# Altium PCB 2022_May.PcbDoc
Units mil, origin at the board's own origin, x right, y up, seen from the top; angles counter-clockwise.
Board outline 2000 x 3300 mil, 2 copper layers (Top Layer, Bottom Layer); 67 components, 0 nets, 220 pads, 51 vias.
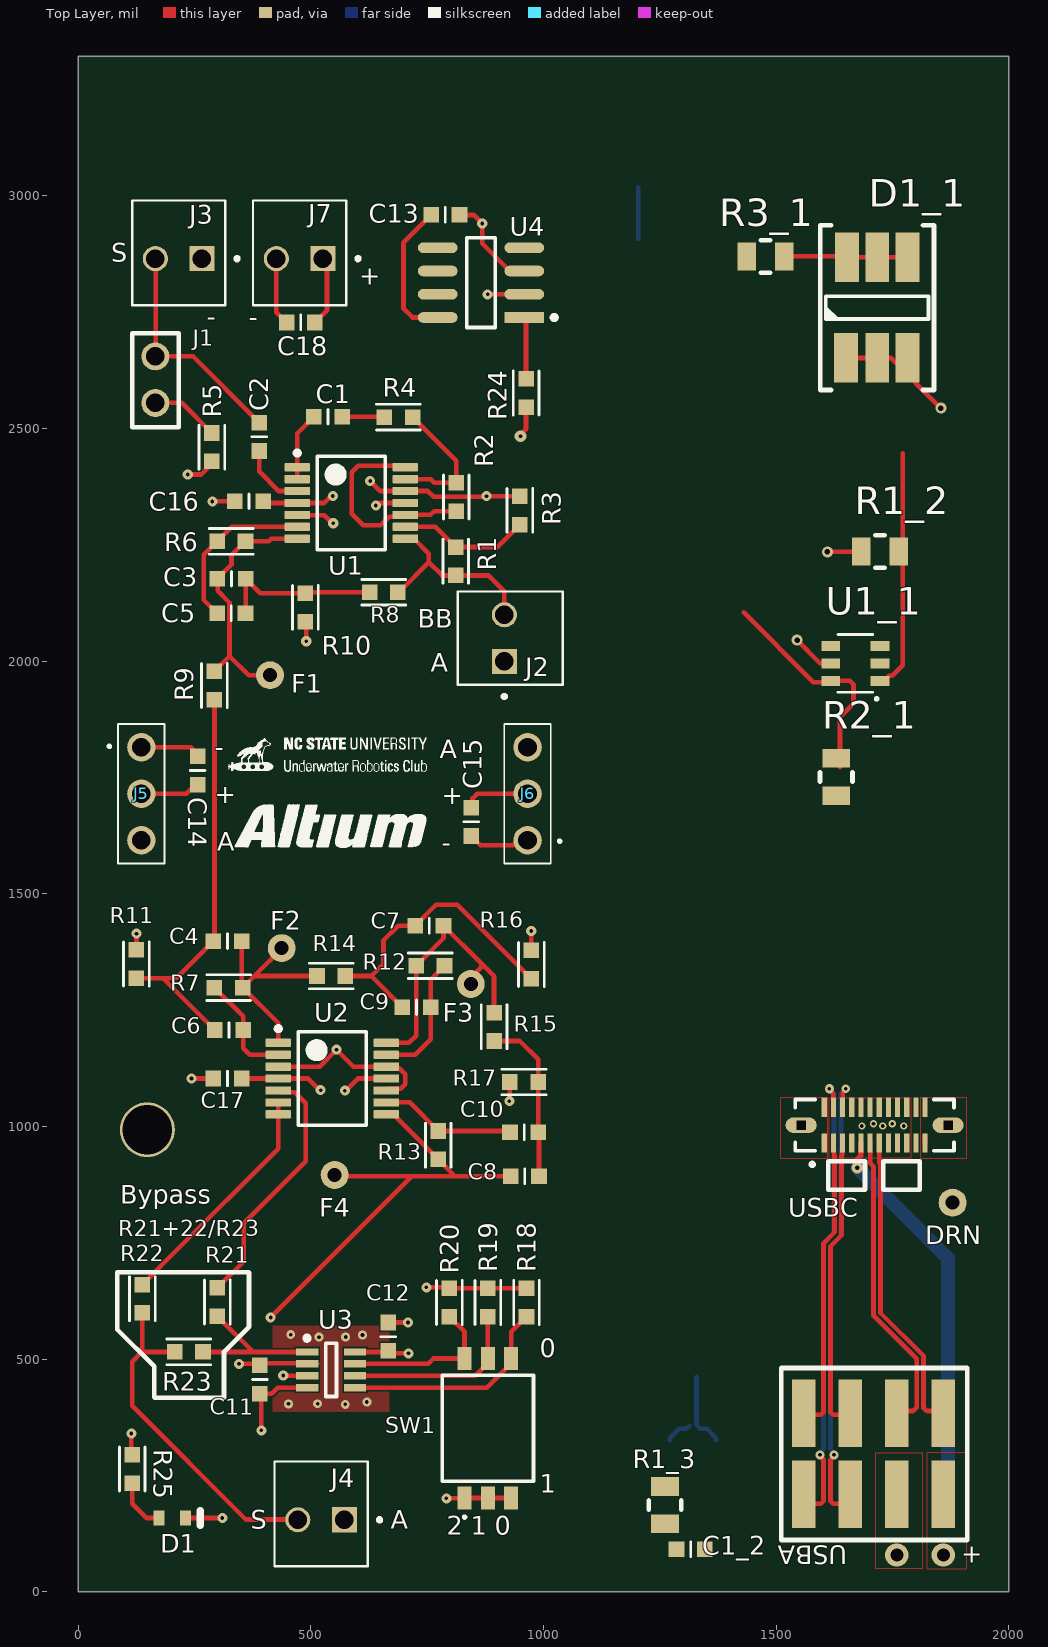
[diagram p0: Top Layer view]
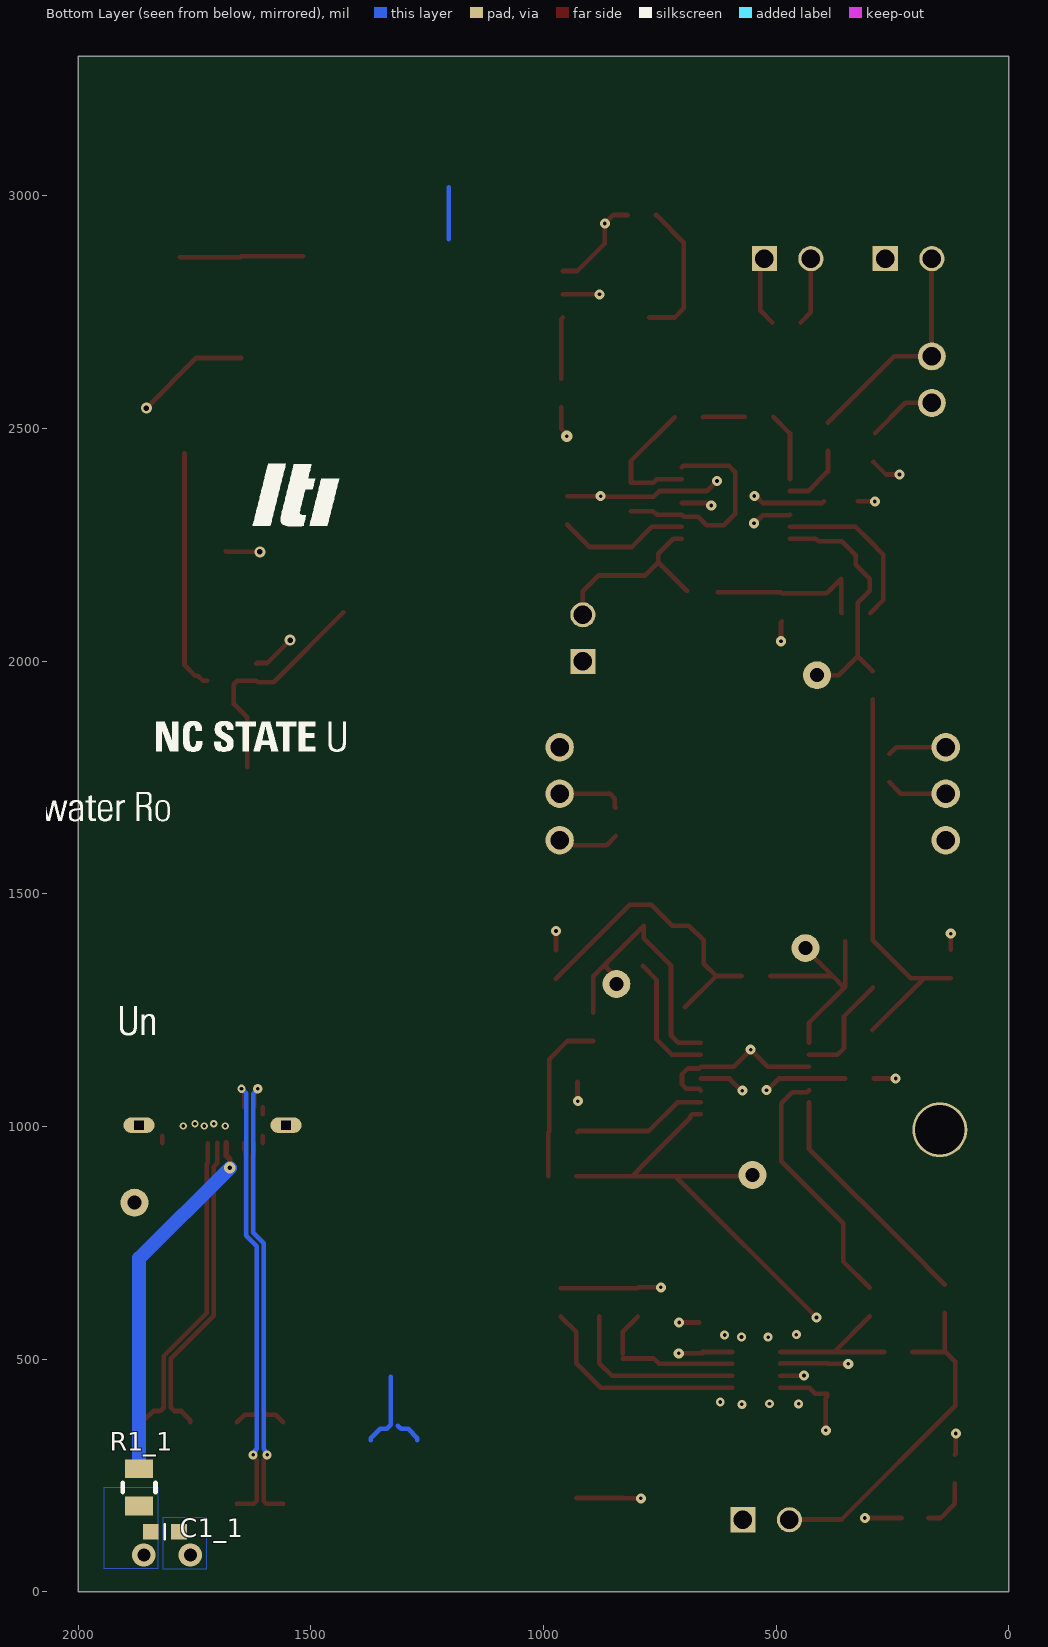
[diagram p1: Bottom Layer view, seen from below]

## Layer stack, top to bottom
Top Solder: solder mask 0.4, Solder Resist, Dk 3.5
Top Layer: signal copper 1.4
Dielectric 1: dielectric 12.6, FR-4, Dk 4.8
Bottom Layer: signal copper 1.4
Bottom Solder: solder mask 0.4, Solder Resist, Dk 3.5

## Board outline
0,0 0,3300 2000,3300 2000,0

## Design rules (kind name [scope] priority, off if disabled: settings)
Clearance [All] p1: gap=10 ignorepadtopadclearanceinfootprint=FALSE except(0: Arc-Hole Track-Hole SMDPad-Hole THPad-Hole Via-Hole Fill-Hole Poly-Hole Region-Hole Text-Hole)
PolygonConnect [All] p1: connectstyle=Relief reliefconductorwidth=10 reliefentries=4 polygonreliefangle="90 Angle" airgapwidth=10
RoutingVias [All] p1: holewidth=28 width=50 viastyle="Through Hole" minholewidth=28 minwidth=50 maxholewidth=28 maxwidth=50
SolderMaskExpansion [All] p1: expansion=4 istentingtop=FALSE
Width [All] p1: maxlimit=10 minlimit=10 preferedwidth=10
30 further rules are at their usual default settings.

## Components (designator, comment, footprint, x,y, rotation, side; value= is the part's Value field where it differs from the comment)
C1 "5100pF" SMD-0603C 536.89,2525.29 r270 top
C1_1 "1000pF" SMD-0603C 1814.21,129.06 r90 bottom (schematic designator C1)
C1_2 "1000pF" SMD-0603C 1316.18,90.94 r90 top (schematic designator C1)
C2 "5100pF" SMD-0603C 388.84,2482.21 r0 top
C3 "1000pF" SMD-0603C 329.46,2177.27 r270 top
C4 "1000pF" SMD-0603C 320.91,1398.21 r90 top
C5 "1000pF" SMD-0603C 328.72,2103.01 r270 top
C6 "1000pF" SMD-0603C 323.78,1207.26 r90 top
C7 "1000pF" SMD-0603C 754.32,1431.61 r90 top
C8 "1000pF" SMD-0603C 959.7,893.07 r270 top
C9 "1000pF" SMD-0603C 726.77,1256.15 r90 top
C10 "1000pF" SMD-0603C 958.34,987.48 r270 top
C11 "1µF" SMD-0603C 390.09,456 r0 top
C12 "0.10µF" SMD-0603C 665.93,547.95 r0 top
C13 "0.10µF" SMD-0603C 788.8,2959.05 r90 top
C14 "1µF" SMD-0603C 256.52,1765.17 r0 top
C15 "1µF" SMD-0603C 844.9,1654.69 r180 top
C16 "1µF" SMD-0603C 366.8,2343.65 r90 top
C17 "1µF" SMD-0603C 320.84,1102.97 r90 top
C18 "1µF" SMD-0603C 478.06,2727.98 r90 top
D1 "TLMS1100-GS08" VISH-TLMX1100_V 201.83,158.25 r0 top value=1.9V
D1_1 "SMTL6-RC" SMTL6-RC 1717.01,2760 r90 top (schematic designator D1)
J1 "Header" "1x2 Header" 165.54,2605.07 r270 top
J2 "640456-2" TE_640456-2 915.65,1999.63 r270 top
J3 "640456-2" TE_640456-2 265.54,2865.07 r0 top
J4 "640456-2" TE_640456-2 571.72,154.53 r0 top
J5 "TSW-103-07-L-S" TSW-103-XX-YY-S 135.54,1815.07 r270 top
J6 "TSW-103-07-L-S" TSW-103-XX-YY-S 965.54,1615.07 r90 top
J7 "640456-2" TE_640456-2 525.54,2865.07 r0 top
R1 "10k" SMD-0603-RES 811.08,2214.71 r0 top
R1_1 "56k" SMD-0805-RES 1869.21,224.06 r0 bottom (schematic designator R1)
R1_2 "1M" SMD-0805-RES 1723,2236 r90 top (schematic designator R1)
R1_3 "56k" SMD-0805-RES 1261.18,185.94 r180 top (schematic designator R1)
R2 "10k" SMD-0603-RES 812.15,2353.04 r0 top
R2_1 "10k" SMD-0805-RES 1629,1751 r180 top (schematic designator R2)
R3 "1k" SMD-0603-RES 948.93,2324.13 r0 top
R3_1 "20" SMD-0805-RES 1477.01,2870 r90 top (schematic designator R3)
R4 "10k" SMD-0603-RES 687.88,2524.6 r90 top
R5 "4.7k" SMD-0603-RES 287.08,2459.94 r0 top
R6 "54.9k" SMD-0603-RES 328.72,2257.52 r90 top
R7 "41.2k" SMD-0603-RES 323.06,1298.43 r90 top
R8 "17.4k" SMD-0603-RES 656.45,2147.97 r270 top
R9 "13k" SMD-0603-RES 292.58,1947.95 r0 top
R10 "698" SMD-0603-RES 487.96,2115.66 r180 top
R11 "536" SMD-0603-RES 124.9,1349.12 r0 top
R12 "165k" SMD-0603-RES 756.5,1345.33 r270 top
R13 "86.6k" SMD-0603-RES 773.6,959.63 r0 top
R14 "11k" SMD-0603-RES 543.5,1323.25 r90 top
R15 "5.76k" SMD-0603-RES 893.53,1214.1 r0 top
R16 "332" SMD-0603-RES 973.68,1347.92 r0 top
R17 "174" SMD-0603-RES 957.66,1095.47 r90 top
R18 "10k" SMD-0603-RES 963.24,621.79 r180 top
R19 "10k" SMD-0603-RES 880.4,621.79 r180 top
R20 "10k" SMD-0603-RES 797.56,621.79 r180 top
R21 "0.0" SMD-0603-RES 298.84,622.42 r0 top
R22 "0.0" SMD-0603-RES 137.69,629.61 r180 top
R23 "0.0" SMD-0603-RES 237.43,515.21 r270 top
R24 "0.0" SMD-0603-RES 962.3,2576.35 r180 top
R25 "300" SMD-0603-RES 115.99,263.79 r180 top
SW1 "416131160803" 416131160803 880.17,351.2 r0 top
U1 "OPA1604AIPWR" PW0014A_N 586.6,2340.01 r0 top
U1_1 "QS6J11TR" TRANS_QS6_ROM 1670,1995 r180 top (schematic designator U1)
U2 "OPA1604AIPWR" PW0014A_N 545.83,1102.83 r0 top
U3 "LTC6910-3CTS8#TRPBF" LT-TS8-8-TSOT-23_V 543.24,476.79 r0 top value=N/A
U4 "TLE2426CDR" FP-D0008A-IPC_B 865.48,2813.66 r180 top value=N/A
USBA "Molex 0015910080" "Molex 0015910080" 1910.69,481.17 r180 top (schematic designator "USB A")
USBC "USB4151-GF-C_REVA_NOLEGS" GCT_USB4151-GF-C_REVA_NOLEGS 1711.61,1002.68 r180 top

## Footprints (in the part's own frame and the unit in brackets; to place one, negate y for a bottom-side part, rotate by r counter-clockwise, add the part's x,y. Pads: shape width x height; smd on the part's side, far side on the other; paste and mask are expansions set on the pad)
"1x2 Header" [mil]
  round 60 hole 40: 1(-50,0) 2(50,0)
  silkscreen extent -100,-50 102,50, body extent -100,-50 100,50, height 374
416131160803 [mm]
  rect 0.76x1.27 smd: 1(-1.27,-3.81) 2(0,-3.81) 3(1.27,-3.81) 4(1.27,3.81) 5(0,3.81) 6(-1.27,3.81)
  silkscreen extent -2.49,-4.9 2.49,2.9
FP-D0008A-IPC_B [mil]
  rect 85.4x22.92 smd paste+0 mask+0: 1(-93.06,75)
  rrect100% 85.4x22.92 smd paste+0 mask+0: 2(-93.06,25) 3(-93.06,-25) 4(-93.06,-75) 5(93.06,-75) 6(93.06,-25) 7(93.06,25) 8(93.06,75)
  silkscreen extent -162,-97 31,97, body extent -146,-106 146,106, height 10
GCT_USB4151-GF-C_REVA_NOLEGS [mm]
  rect 0.28x1.05 smd: A1(2.75,0.975) A2(2.25,0.975) A3(1.75,0.975) A4(1.25,0.975) A5(0.75,0.975) A6(0.25,0.975) A7(-0.25,0.975) A8(-0.75,0.975) A9(-1.25,0.975) A10(-1.75,0.975) A11(-2.25,0.975) A12(-2.75,0.975) B1(-2.75,-0.975) B2(-2.25,-0.975) B3(-1.75,-0.975) B4(-1.25,-0.975) B5(-0.75,-0.975) B6(-0.25,-0.975) B7(0.25,-0.975) B8(0.75,-0.975) B9(1.25,-0.975) B10(1.75,-0.975) B11(2.25,-0.975) B12(2.75,-0.975)
  oval 1.7x0.85 hole 0.5 square: S1(-4.01,0) S4(4.01,0)
  silkscreen extent -4.33,-1.4 4.33,2.24, body extent -4.33,-2.88 4.33,2.88, height 11.1
LT-TS8-8-TSOT-23_V [mm] "SOT23, 8-Leads, Body 2.90x1.63mm, Pitch 0.65mm, IPC High Density, Recommended"
  rect 1.22x0.4 smd: 1(-1.31,0.975) 2(-1.31,0.325) 3(-1.31,-0.325) 4(-1.31,-0.975) 5(1.31,-0.975) 6(1.31,-0.325) 7(1.31,0.325) 8(1.31,0.975)
  silkscreen extent -1.43,-1.45 0.3,1.85, body extent -0.87,-1.45 0.88,1.45, height 1
"Molex 0015910080" [mm]
  rect 1.27x3.68 smd: 1(1.308,6.912) 2(3.848,6.912) 3(6.388,6.912) 4(8.928,6.912) 5(1.308,2.472) 6(3.848,2.472) 7(6.388,2.472) 8(8.928,2.472)
  silkscreen extent 0,0.01 10.16,9.4, body extent 0,1.14 10.16,8.13, height 9.68
PW0014A_N [mm] "SOP, 14-Leads, Body 5.1x4.5mm, Pitch 0.65mm, IPC Medium Density"
  rrect22% 1.4x0.45 smd: 1(-2.95,1.95) 2(-2.95,1.3) 3(-2.95,0.65) 4(-2.95,0) 5(-2.95,-0.65) 6(-2.95,-1.3) 7(-2.95,-1.95) 8(2.95,-1.95) 9(2.95,-1.3) 10(2.95,-0.65) 11(2.95,0) 12(2.95,0.65) 13(2.95,1.3) 14(2.95,1.95)
  silkscreen extent -3.07,-2.55 1.85,2.85, body extent -3.21,-2.5 3.21,2.5, height 1
SMD-0603-RES [mm]
  rect 0.85x0.85 smd: 1(0,0.775) 2(0,-0.775)
  silkscreen extent -0.7,-1.2 0.7,1.2, body extent -0.4,-0.85 0.4,0.85, height 0.56
SMD-0603C [mm]
  rect 0.85x0.85 smd: 1(0,0.775) 2(0,-0.775)
  silkscreen extent -0.4,0 0.4,0, body extent -0.4,-0.8 0.4,0.8, height 0.9
SMD-0805-RES [mil]
  rect 60x40 smd: 1(0,40) 2(0,-40)
  silkscreen extent -35,-10 35,10, body extent -24,-39 26,39, height 31
SMTL6-RC [mm]
  rect 2.7x1.3 smd: 1(-2.75,-1.648) 2(2.75,-1.648) 3(-2.75,0) 4(2.75,0) 5(-2.75,1.699) 6(2.75,1.648)
  silkscreen extent -4.5,-3.1 4.5,3.1, body extent -2.7,-2.5 2.7,2.5, height 1.53
TE_640456-2 [mm]
  rect 1.37x1.37 hole 1.02: 1(0,0)
  round 1.37 hole 1.02: 2(-2.54,0)
  silkscreen extent -3.81,-2.54 2.02,3.18
TRANS_QS6_ROM [mil]
  rect 40.5x22 smd paste+0 mask+0: 1(-52.75,37.4) 2(-52.75,0) 3(-52.75,-37.4) 4(52.75,-37.4) 5(52.75,0) 6(52.75,37.4)
  silkscreen extent -47,-62 38,77, body extent -59,-57 59,57, height 39
TSW-103-XX-YY-S [mm]
  round 1.55 hole 1.02: 1(0,0) 2(2.54,0) 3(5.08,0)
  silkscreen extent -1.27,-1.8 6.35,1.27
VISH-TLMX1100_V [mm] "SMD, 2-Leads, Body 1.6x0.8mm"
  rect 0.6x0.8 smd: 1(-0.725,0) 2(0.725,0)
  silkscreen extent 1.53,-0.4 1.53,0.4, body extent -0.8,-0.4 0.8,0.4, height 0.65

## Part data
C1: library part GRM1887U1H512JA01D, "CAP CER 5100PF 50V U2J 0603", Manufacturer="Murata Electronics North America", Operating Temperature="-55°C ~ 125°C", Package / Case="0603 (1608 Metric)", Datasheet Link=https://www.digikey.com/en/products/detail/murata-electronics/GRM1887U1H512JA01D/2612102, Manufacturer Part Number=GRM1887U1H512JA01D
C1_1 C1_2: library part GRM188R71C102KA01D, "Capacitor used for bypass between GND and VBUS", Digi-Key Part Number=490-11509-1-ND, Manufacturer="Murata Electronics North America", Operating Temperature="-55°C ~ 125°C", Tolerance=±10%, Datasheets=http://www.murata.com/~/media/webrenewal/support/library/catalog/products/capacitor/mlcc/c02e.pdf, Manufacturer Part Number=GRM188R71C102KA01D, Quantity Available=39666, Size / Dimension="0.063\" L x 0.031\" W (1.60mm x 0.80mm)", Total Price (USD)=0.2, Total Quantity=2, Unit Price (USD)=0.1
C2: library part GRM1887U1H512JA01D, "CAP CER 5100PF 50V U2J 0603", Digi-Key Part Number=490-6399-1-ND, Manufacturer="Murata Electronics North America", Operating Temperature="-55°C ~ 125°C", Package / Case="0603 (1608 Metric)", Ratings=-, Temperature Coefficient=U2J, Tolerance=±5%, Voltage=50V, @ qty=0, Applications="General Purpose", Datasheets=http://www.murata.com/~/media/webrenewal/support/library/catalog/products/capacitor/mlcc/c02e.pdf, Factory Stock=0, Features=-, Height - Seated (Max)=-, Image=//media.digikey.com/Renders/Murata%20Renders/ZRB-SERIES-0402.jpg, Lead Spacing=-, Lead Style=-, Minimum Quantity=1, Mounting Type="Surface Mount, MLCC", Packaging="Cut Tape (CT)", Part Number=GRM1887U1H512JA01D, Part Status=Active, Quantity Available=12288, Series=GRM, Size / Dimension="0.063\" L x 0.031\" W (1.60mm x 0.80mm)", Thickness (Max)="0.035\" (0.90mm)", Unit Price (USD)=0.2
C3 C4 C5 C6 C7 C8 C9 C10: library part GCJ188R71H102KA01D, "CAP CER 1000PF 50V X7R 0603", Manufacturer="Walsin Technology Corporation", Manufacturer Part Number=0603N102F500CT, Operating Temperature="-55°C ~ 125°C", Package / Case="0603 (1608 Metric)", Datasheet Link=https://www.digikey.com/en/products/detail/walsin-technology-corporation/0603N102F500CT/9354972
C11: library part GCM188R71C105KA64D, "CAP CER 1UF 16V X7R 0603", Digi-Key Part Number=490-5241-1-ND, Manufacturer="Murata Electronics North America", Operating Temperature="-55°C ~ 125°C", Package / Case="0603 (1608 Metric)", Ratings=AEC-Q200, Temperature Coefficient=X7R, Tolerance=±10%, Voltage=16V, @ qty=0, Applications=Automotive, Datasheets=http://www.murata.com/~/media/webrenewal/support/library/catalog/products/capacitor/mlcc/c03e.ashx, Factory Stock=0, Features=-, Height - Seated (Max)=-, Image=//media.digikey.com/Renders/Murata%20Renders/0603%28GCM188%29.jpg, Lead Spacing=-, Lead Style=-, Minimum Quantity=1, Mounting Type="Surface Mount, MLCC", Packaging="Cut Tape (CT)", Part Number=GCM188R71C105KA64D, Part Status=Active, Quantity Available=9243, Series=GCM, Size / Dimension="0.063\" L x 0.031\" W (1.60mm x 0.80mm)", Thickness (Max)="0.035\" (0.90mm)", Unit Price (USD)=0.24
C12: library part GCJ188R71C104KA01D, "CAP CER 0.1UF 16V X7R 0603", Digi-Key Part Number=490-5796-1-ND, Manufacturer="Murata Electronics North America", Operating Temperature="-55°C ~ 125°C", Package / Case="0603 (1608 Metric)", Ratings=AEC-Q200, Temperature Coefficient=X7R, Tolerance=±10%, Voltage=16V, @ qty=0, Applications="Automotive, Boardflex Sensitive", Datasheets=http://www.murata.com/~/media/webrenewal/support/library/catalog/products/capacitor/mlcc/c03e.ashx, Factory Stock=0, Features="Soft Termination", Height - Seated (Max)=-, Image=//media.digikey.com/Renders/Murata%20Renders/0603%28LQG18%29.jpg, Lead Spacing=-, Lead Style=-, Minimum Quantity=1, Mounting Type="Surface Mount, MLCC", Packaging="Cut Tape (CT)", Part Number=GCJ188R71C104KA01D, Part Status=Active, Quantity Available=22473, Series=GCJ, Size / Dimension="0.063\" L x 0.031\" W (1.60mm x 0.80mm)", Thickness (Max)="0.035\" (0.90mm)", Unit Price (USD)=0.21
C13: library part GCJ188R71C104KA01D, "CAP CER 0.1UF 16V X7R 0603", Manufacturer="Samsung Electro-Mechanics", Manufacturer Part Number=CL10B104KB8NNWC, Operating Temperature="-55°C ~ 125°C", Package / Case="0603 (1608 Metric)", Datasheet Link=https://www.digikey.com/en/products/detail/samsung-electro-mechanics/CL10B104KB8NNWC/3887593
C14 C15 C16 C17 C18: library part GCM188R71C105KA64D, "CAP CER 1UF 16V X7R 0603", Manufacturer="Samsung Electro-Mechanics", Manufacturer Part Number=CL10A105KA8NNNC, Operating Temperature="-55°C ~ 125°C", Package / Case="0603 (1608 Metric)", Datasheet Link=https://www.digikey.com/en/products/detail/samsung-electro-mechanics/CL10A105KA8NNNC/3886760
D1: library part CMP-1666-00027-1, "LED, RED, 2.1 V, -40 to 100 degC, 2-Pin SMD (0603), RoHS, Tape and Reel", Manufacturer="Wurth Elektronics", Manufacturer Part Number=150080SS75000, Operating Temperature=-40to85degC, Package / Case="0805 (2012 Metric)", Datasheet Link=https://www.mouser.com/ProductDetail/Wurth-Elektronik/150080SS75000?qs=LlUlMxKIyB2zzpiaOzrUdw%3D%3D&mgh=1&gclid=Cj0KCQjwm6KUBhC3ARIsACIwxBhChbj4MsdASq_HKZ9IIHp_SBsI6cWeNQVHWnPWPX4ZaUjtoXFUdFUaAm30EALw_wcB, RoHS=Pb-Free
J1: library part "1x2 Header", "CONN HEADER VERT 2POS 2.54MM"
J2 J4 J7: "Connector Header Through Hole 2 position 0.100 _2.54mm_", Package=None, Availability=Unavailable, EU_RoHS_Compliance=Compliant, MF="TE Connectivity", MP=640456-2, Price=None, SnapEDA_Link=https://www.snapeda.com/parts/640456-2/TE%20Connectivity%20AMP%20Connectors/view-part/1957547/?ref=snap, TE_purchase_URL=https://www.te.com/usa-en/product-640456-2.html?te_bu=Cor&te_type=disp&te_campaign=seda_glo_cor-seda-global-disp-prtnr-fy19-seda-model-bom-cta_sma-317_1&elqCampaignId=32493
J3: "Connector Header Through Hole 2 position 0.100 _2.54mm_ Keyed", Package=None, Availability=Unavailable, EU_RoHS_Compliance=Compliant, MF="TE Connectivity", MP=640456-2, Price=None, SnapEDA_Link=https://www.snapeda.com/parts/640456-2/TE%20Connectivity%20AMP%20Connectors/view-part/1957547/?ref=snap, TE_purchase_URL=https://www.te.com/usa-en/product-640456-2.html?te_bu=Cor&te_type=disp&te_campaign=seda_glo_cor-seda-global-disp-prtnr-fy19-seda-model-bom-cta_sma-317_1&elqCampaignId=32493
J5 J6: "1x3 2.54\" pitch", Manufacturer_Name=SAMTEC, Datasheet Link=http://suddendocs.samtec.com/prints/tsw-xxx-xx-xxx-x-xx-xxx-mkt.pdf, Manufacturer_Part_Number=TSW-103-07-L-S
R1 R2 R4 R18 R19 R20: library part ERJ-3EKF1002V, "RES SMD 10K OHM 1% 1/10W 0603", Manufacturer="Panasonic Electronic Components", Manufacturer Part Number=RNCP0603FTD10K0, Operating Temperature="-55°C ~ 155°C", Package / Case="0603 (1608 Metric)", Datasheet Link=https://www.digikey.com/en/products/detail/stackpole-electronics-inc/RNCP0603FTD10K0/2240139
R1_1 R1_3: library part ERJ-6GEYJ563V, "Connects pin A5 on USBC to VBUS", Digi-Key Part Number=P56KACT-ND, Manufacturer="Panasonic Electronic Components", Operating Temperature="-55°C ~ 155°C", Tolerance=±5%, Datasheets=http://industrial.panasonic.com/www-cgi/jvcr13pz.cgi?E+PZ+3+AOA0001+ERJ6GEYJ563V+7+WW, Manufacturer Part Number=ERJ-6GEYJ563V, Quantity Available=43472, Size / Dimension="0.079\" L x 0.049\" W (2.00mm x 1.25mm)", Total Price (USD)=0.00992, Total Quantity=2, Unit Price (USD)=0.00496
R1_2: library part ERJ-6ENF1004V, "RES SMD 1M OHM 1% 1/8W 0805", Digi-Key Part Number=P1.00MCCT-ND, Manufacturer="Panasonic Electronic Components", Operating Temperature="-55°C ~ 155°C", Package / Case="0805 (2012 Metric)", Power (Watts)="0.125W, 1/8W", Supplier Device Package=0805, Temperature Coefficient=±100ppm/°C, Tolerance=±1%, @ qty=1500, Composition="Thick Film", Datasheets=http://industrial.panasonic.com/www-cgi/jvcr13pz.cgi?E+PZ+3+AOA0002+ERJ6ENF1004V+7+WW, Factory Stock=0, Failure Rate=-, Features="Automotive AEC-Q200", Height - Seated (Max)="0.028\" (0.70mm)", Image=//media.digikey.com/Renders/Panasonic%20Renders/ERJ-0805%20Pkg.jpg, Minimum Quantity=1, Number of Terminations=2, Packaging="Cut Tape (CT)", Part Number=ERJ-6ENF1004V, Part Status=Active, Quantity Available=710452, Series=ERJ, Size / Dimension="0.079\" L x 0.049\" W (2.00mm x 1.25mm)", Unit Price (USD)=0.00729
R2_1: library part ERJ-6ENF1002V, "RES SMD 10K OHM 1% 1/8W 0805", Digi-Key Part Number=P10.0KCCT-ND, Manufacturer="Panasonic Electronic Components", Operating Temperature="-55°C ~ 155°C", Package / Case="0805 (2012 Metric)", Power (Watts)="0.125W, 1/8W", Supplier Device Package=0805, Temperature Coefficient=±100ppm/°C, Tolerance=±1%, @ qty=1500, Composition="Thick Film", Datasheets=http://industrial.panasonic.com/www-cgi/jvcr13pz.cgi?E+PZ+3+AOA0002+ERJ6ENF1002V+7+WW, Factory Stock=0, Failure Rate=-, Features="Automotive AEC-Q200", Height - Seated (Max)="0.028\" (0.70mm)", Image=//media.digikey.com/Renders/Panasonic%20Renders/ERJ-0805%20Pkg.jpg, Minimum Quantity=1, Number of Terminations=2, Packaging="Cut Tape (CT)", Part Number=ERJ-6ENF1002V, Part Status=Active, Quantity Available=3985614, Series=ERJ, Size / Dimension="0.079\" L x 0.049\" W (2.00mm x 1.25mm)", Unit Price (USD)=0.00729
R3: library part ERJ-3EKF1001V, "RES SMD 1K OHM 1% 1/10W 0603", Manufacturer="Stackpole Electronics Inc", Manufacturer Part Number=RNCP0603FTD1K00, Operating Temperature="-55°C ~ 155°C", Package / Case="0603 (1608 Metric)", Datasheet Link=https://www.digikey.com/en/products/detail/stackpole-electronics-inc/RNCP0603FTD1K00/2240106
R3_1: library part ERJ-6ENF20R0V, "RES SMD 20 OHM 1% 1/8W 0805", Digi-Key Part Number=P20.0CCT-ND, Manufacturer="Panasonic Electronic Components", Operating Temperature="-55°C ~ 155°C", Package / Case="0805 (2012 Metric)", Power (Watts)="0.125W, 1/8W", Supplier Device Package=0805, Temperature Coefficient=±100ppm/°C, Tolerance=±1%, @ qty=1500, Composition="Thick Film", Datasheets=http://industrial.panasonic.com/www-cgi/jvcr13pz.cgi?E+PZ+3+AOA0002+ERJ6ENF20R0V+7+WW, Factory Stock=0, Failure Rate=-, Features="Automotive AEC-Q200", Height - Seated (Max)="0.028\" (0.70mm)", Image=//media.digikey.com/Renders/Panasonic%20Renders/ERJ-0805%20Pkg.jpg, Minimum Quantity=1, Number of Terminations=2, Packaging="Cut Tape (CT)", Part Number=ERJ-6ENF20R0V, Part Status=Active, Quantity Available=328732, Series=ERJ, Size / Dimension="0.079\" L x 0.049\" W (2.00mm x 1.25mm)", Unit Price (USD)=0.00729
R5: library part ERJ-3EKF4701V, "RES SMD 4.7K OHM 1% 1/10W 0603", Manufacturer="Panasonic Electronic Components", Operating Temperature="-55°C ~ 155°C", Package / Case="0603 (1608 Metric)", Datasheet Link=https://www.digikey.com/en/products/detail/panasonic-electronic-components/ERJ-3EKF4701V/1746419, Manufacturer Part Number=ERJ-3EKF4701V
R6: library part ERJ-3EKF5492V, "RES SMD 54.9K OHM 1% 1/10W 0603", Manufacturer="Panasonic Electronic Components", Operating Temperature="-55°C ~ 155°C", Package / Case="0603 (1608 Metric)", Datasheet Link=https://www.digikey.com/en/products/detail/panasonic-electronic-components/ERJ-3EKF5492V/196403, Manufacturer Part Number=ERJ-3EKF5492V
R7: library part ERJ-3EKF4122V, "RES SMD 41.2K OHM 1% 1/10W 0603", Manufacturer="Panasonic Electronic Components", Operating Temperature="-55°C ~ 155°C", Package / Case="0603 (1608 Metric)", Datasheet Link=https://www.digikey.com/en/products/detail/yageo/RC0603FR-0741K2L/727225, Manufacturer Part Number=ERJ-3EKF4122V
R8: library part ERJ-3EKF1742V, "RES SMD 17.4K OHM 1% 1/10W 0603", Manufacturer="Panasonic Electronic Components", Operating Temperature="-55°C ~ 155°C", Package / Case="0603 (1608 Metric)", Datasheet Link=https://www.digikey.com/en/products/detail/panasonic-electronic-components/ERJ-3EKF1742V/196159, Manufacturer Part Number=ERJ-3EKF1742V
R9: library part ERJ-3EKF1302V, "RES SMD 13K OHM 1% 1/10W 0603", Manufacturer="Panasonic Electronic Components", Operating Temperature="-55°C ~ 155°C", Package / Case="0603 (1608 Metric)", Datasheet Link=https://www.digikey.com/en/products/detail/panasonic-electronic-components/ERJ-3EKF1302V/196110, Manufacturer Part Number=ERJ-3EKF1302V
R10: library part ERJ-3EKF6980V, "RES SMD 698 OHM 1% 1/10W 0603", Manufacturer="Panasonic Electronic Components", Operating Temperature="-55°C ~ 155°C", Package / Case="0603 (1608 Metric)", Datasheet Link=https://www.digikey.com/en/products/detail/panasonic-electronic-components/ERJ-3EKF6980V/196453, Manufacturer Part Number=ERJ-3EKF6980V
R11: library part ERJ-3EKF5360V, "RES SMD 536 OHM 1% 1/10W 0603", Manufacturer="Panasonic Electronic Components", Operating Temperature="-55°C ~ 155°C", Package / Case="0603 (1608 Metric)", Datasheet Link=https://www.digikey.com/en/products/detail/panasonic-electronic-components/ERJ-3EKF5360V/196400, Manufacturer Part Number=ERJ-3EKF5360V
R12: library part ERJ-3EKF1653V, "RES SMD 165K OHM 1% 1/10W 0603", Manufacturer="Panasonic Electronic Components", Operating Temperature="-55°C ~ 155°C", Package / Case="0603 (1608 Metric)", Datasheet Link=https://www.digikey.com/en/products/detail/panasonic-electronic-components/ERJ-3EKF1653V/196155, Manufacturer Part Number=ERJ-3EKF1653V
R13: library part ERJ-3EKF8662V, "RES SMD 86.6K OHM 1% 1/10W 0603", Manufacturer="Panasonic Electronic Components", Operating Temperature="-55°C ~ 155°C", Package / Case="0603 (1608 Metric)", Datasheet Link=https://www.digikey.com/en/products/detail/panasonic-electronic-components/ERJ-3EKF8662V/196500, Manufacturer Part Number=ERJ-3EKF8662V
R14: library part ERJ-3EKF1102V, "RES SMD 11K OHM 1% 1/10W 0603", Manufacturer="Panasonic Electronic Components", Operating Temperature="-55°C ~ 155°C", Package / Case="0603 (1608 Metric)", Datasheet Link=https://www.digikey.com/en/products/detail/panasonic-electronic-components/ERJ-3EKF1102V/196083, Manufacturer Part Number=ERJ-3EKF1102V
R15: library part ERJ-3EKF5761V, "RES SMD 5.76K OHM 1% 1/10W 0603", Manufacturer="Panasonic Electronic Components", Operating Temperature="-55°C ~ 155°C", Package / Case="0603 (1608 Metric)", Datasheet Link=https://www.digikey.com/en/products/detail/panasonic-electronic-components/ERJ-3EKF5761V/196388, Manufacturer Part Number=ERJ-3EKF5761V
R16: library part ERJ-3EKF3320V, "RES SMD 332 OHM 1% 1/10W 0603", Manufacturer="Panasonic Electronic Components", Operating Temperature="-55°C ~ 155°C", Package / Case="0603 (1608 Metric)", Datasheet Link=https://www.digikey.com/en/products/detail/panasonic-electronic-components/ERJ-3EKF3320V/196300, Manufacturer Part Number=ERJ-3EKF3320V
R17: library part ERJ-3EKF1740V, "RES SMD 174 OHM 1% 1/10W 0603", Manufacturer="Panasonic Electronic Components", Operating Temperature="-55°C ~ 155°C", Package / Case="0603 (1608 Metric)", Datasheet Link=https://www.digikey.com/en/products/detail/panasonic-electronic-components/ERJ-3EKF1740V/196162, Manufacturer Part Number=ERJ-3EKF1740V
R21 R22 R23 R24: library part ERJ-3GEY0R00V, "RES SMD 0.0OHM JUMPER 1/10W 0603", Manufacturer="Stackpole Electronics Inc", Manufacturer Part Number=RMCF0603ZT0R00, Operating Temperature="-55°C ~ 155°C", Package / Case="0603 (1608 Metric)", Datasheet Link=https://www.digikey.com/en/products/detail/stackpole-electronics-inc/RMCF0603ZT0R00/1756908
R25: library part ERJ-3EKF3000V, "RES SMD 300 OHM 1% 1/10W 0603", Manufacturer="Panasonic Electronic Components", Operating Temperature="-55°C ~ 155°C", Package / Case="0603 (1608 Metric)", Datasheet Link=https://www.digikey.com/en/products/detail/panasonic-electronic-components/ERJ-3EKF3000V/1746363, Manufacturer Part Number=ERJ-3EKF3000V
SW1: "Switch", Manufacturer_Name="Wurth Elektronik", Mouser Part Number=710-416131160803, Datasheet Link=https://www.we-online.com/catalog/datasheet/416131160803.pdf, Height=2.65mm, Manufacturer_Part_Number=416131160803, Mouser Price/Stock=https://www.mouser.co.uk/ProductDetail/Wurth-Elektronik/416131160803?qs=2kOmHSv6VfS5Uv9iBh18ZA%3D%3D
U1 U2: library part CMP-0272-01731-3, "Sound Plus High-Performance, Bipolar-Input Audio Operational Amplifier, 4.5 to 36 V, -40 to 85 degC, 14-pin SOP (PW14), Green (RoHS & no Sb/Br)", Manufacturer="Texas Instruments", Operating Temperature="-40°C ~ 85°C", Package / Case=14-TSSOP, Datasheet Link=https://www.digikey.com/en/products/detail/texas-instruments/OPA1604AIPWR/2793768, Manufacturer Part Number=OPA1604AIPWR
U1_1: "No Description Available", Mfr_Name="ROHM Semiconductor", Copyright="Copyright (C) 2022 Ultra Librarian. All rights reserved.", Digi-Key_Part_Number_1=QS6J11CT-ND, Digi-Key_Part_Number_2=QS6J11DKR-ND, Digi-Key_Part_Number_3=QS6J11TR-ND, Manufacturer_Part_Number=QS6J11TR, RefDes=RefDes, Type=DEV
U3: library part CMP-0359-03721-2, Manufacturer="Analog Devices Inc.", Manufacturer Part Number=LTC6910-3CTS8#TRMPBF, Operating Temperature="0°C ~ 70°C", Package / Case=TSOT-23-8, Datasheet Link=https://www.analog.com/media/en/technical-documentation/data-sheets/6910fb.pdf, RoHS=Pb-Free
U4: library part CMP-04916-000011-1, "Ground Reference (Virtual) Voltage Reference IC Adjustable 2V 20 VV ±1% 20 mA 8-SOIC", Manufacturer="Texas Instruments", Manufacturer Part Number=TLE2426MD, Operating Temperature="-55°C ~ 125°C", Package / Case=8-SOIC, Datasheet Link=https://www.digikey.com/en/products/detail/texas-instruments/TLE2426MD/1676989
USBA: "USB A header", Digi-Key Part Number=WM17458-ND, Manufacturer=Molex, Manufacturer Part Number=0015910080, Datasheets=https://www.molex.com/pdm_docs/sd/015910080_sd.pdf, Quantity Available=20779, Total Price (USD)=2.44, Total Quantity=2, Unit Price (USD)=1.22
USBC: "USB Type C 3.1 vertical surface mount connector", Package=None, Availability=Unavailable, MF="Global Connector Technology", MP=USB4151-GF-C, Price=None, SnapEDA_Link=https://www.snapeda.com/parts/USB4151-GF-C/Global%20Connector%20Technology/view-part/4594022/?ref=snap

## Free pads (board coordinates)
  round 60 hole 30: 2(412.14,1969.81) 2(1879.21,836.06) 3(437.17,1383.26) 4(843.5,1306.18) 5(550.97,895.72)
  round 118.11 hole 106.3: 6(148.33,992.81)

## Via types
v1: diameter 21.65, hole 7.87, Top Layer to Bottom Layer, 27 vias
v2: diameter 19, hole 7.9, Top Layer to Bottom Layer, 8 vias
v3: diameter 15.75, hole 7.87, Top Layer to Bottom Layer, 5 vias
v4: diameter 23.62, hole 11.81, Top Layer to Bottom Layer, 3 vias
v5: diameter 19.68, hole 7.87, Top Layer to Bottom Layer, 3 vias
v6: diameter 50, hole 28, Top Layer to Bottom Layer, 2 vias
v7: diameter 25, hole 7.87, Top Layer to Bottom Layer, 1 vias
v8: diameter 25, hole 10, Top Layer to Bottom Layer, 1 vias
v9: diameter 17.72, hole 7.87, Top Layer to Bottom Layer, 1 vias

## Nets (pads, with @x,y where several pads share a name; then routed paths per layer and width w, separated by ;. In a path a pad name is that pad's centre, name@x,y a point inside that pad or via, vN(x,y) a via of type N, cw(c..) or ccw(c..) an arc to the next point about the centre after c; other vN are vias at no path point)
pads on no net: C1.1 C1.2 C1_1.1 C1_1.2 C1_2.1 C1_2.2 C2.1 C2.2 C3.1 C3.2 C4.1 C4.2 C5.1 C5.2 C6.1 C6.2 C7.1 C7.2 C8.1 C8.2 C9.1 C9.2 C10.1 C10.2 C11.1 C11.2 C12.1 C12.2 C13.1 C13.2 C14.1 C14.2 C15.1 C15.2 C16.1 C16.2 C17.1 C17.2 C18.1 C18.2 D1.1 D1.2 D1_1.1 D1_1.2 D1_1.3 D1_1.4 D1_1.5 D1_1.6 J1.1 J1.2 J2.1 J2.2 J3.1 J3.2 J4.1 J4.2 J5.1 J5.2 J5.3 J6.1 J6.2 J6.3 J7.1 J7.2 R1.1 R1.2 R1_1.1 R1_1.2 R1_2.1 R1_2.2 R1_3.1 R1_3.2 R2.1 R2.2 R2_1.1 R2_1.2 R3.1 R3.2 R3_1.1 R3_1.2 R4.1 R4.2 R5.1 R5.2 R6.1 R6.2 R7.1 R7.2 R8.1 R8.2 R9.1 R9.2 R10.1 R10.2 R11.1 R11.2 R12.1 R12.2 R13.1 R13.2 R14.1 R14.2 R15.1 R15.2 R16.1 R16.2 R17.1 R17.2 R18.1 R18.2 R19.1 R19.2 R20.1 R20.2 R21.1 R21.2 R22.1 R22.2 R23.1 R23.2 R24.1 R24.2 R25.1 R25.2 SW1.1 SW1.2 SW1.3 SW1.4 SW1.5 SW1.6 U1.1 U1.2 U1.3 U1.4 U1.5 U1.6 U1.7 U1.8 U1.9 U1.10 U1.11 U1.12 U1.13 U1.14 U1_1.1 U1_1.2 U1_1.3 U1_1.4 U1_1.5 U1_1.6 U2.1 U2.2 U2.3 U2.4 U2.5 U2.6 U2.7 U2.8 U2.9 U2.10 U2.11 U2.12 U2.13 U2.14 U3.1 U3.2 U3.3 U3.4 U3.5 U3.6 U3.7 U3.8 U4.1 U4.2 U4.3 U4.4 U4.5 U4.6 U4.7 U4.8 USBA.1 USBA.2 USBA.3 USBA.4 USBA.5 USBA.6 USBA.7 USBA.8 USBC.A1 USBC.A2 USBC.A3 USBC.A4 USBC.A5 USBC.A6 USBC.A7 USBC.A8 USBC.A9 USBC.A10 USBC.A11 USBC.A12 USBC.B1 USBC.B2 USBC.B3 USBC.B4 USBC.B5 USBC.B6 USBC.B7 USBC.B8 USBC.B9 USBC.B10 USBC.B11 USBC.B12 USBC.S1 USBC.S4
copper on no net: | length 23660.1
  Top Layer w10: v1(113.88,339.79) 113.88,296.42 115.99,294.31 ; 115.99,233.28 115.99,189.21 146.95,158.25 173.29,158.25 ; 124.9,1318.61 181.92,1318.61 ; 124.9,1379.63 v1(124.9,1414.19) ; 137.69,599.1 137.69,516.71 136.66,515.69 ; 137.69,660.12 149.42,671.86 206.75,729.19 429.68,952.12 429.68,1026.06 429.68,1051.65 ; 165.54,2555.07 222.46,2555.07 287.08,2490.45 286.94,2490.32 ; 166.52,1715.17 232.03,1715.17 256.52,1739.66 ; 166.52,1815.17 242.03,1815.17 256.52,1800.69 ; 167.12,2875.07 166.33,2874.29 166.33,2655.86 165.54,2655.07 246.5,2655.07 388.84,2512.73 ; 206.91,515.21 136.66,515.21 136.66,515.69 ; 230.38,158.25 v1(309.49,158.25) ; v1(235.13,2401.27) 264.06,2401.27 290.93,2428.14 ; v1(243.33,1103.12) 290.18,1103.12 290.33,1102.97 ; 267.97,515.18 375.57,515.18 ; v1(287.99,2343.26) 288.37,2343.65 324.38,2343.65 ; 292.55,1298.43 354.29,1236.68 354.29,1207.26 354.29,1168.14 368.42,1154.01 429.68,1154.01 ; 292.58,1917.44 292.58,1400.39 290.4,1398.21 210.8,1318.61 181.92,1318.61 ; 292.58,1978.46 324.94,2010.83 ; 293.27,1207.26 181.92,1318.61 ; 298.21,2103.01 269.81,2131.41 269.81,2229.12 298.21,2257.52 329.52,2288.83 470.46,2288.83 ; 298.84,591.91 375.57,515.18 ; 298.84,652.93 355.63,709.72 355.63,791.44 488.9,924.71 488.9,1049.61 465.12,1073.38 433.54,1073.38 429.68,1077.24 ; v1(345.16,489.55) 389.04,489.55 390.09,490.6 412.33,490.6 490.63,490.62 491.67,489.59 ; 351.35,1102.97 351.5,1102.83 429.68,1102.83 494.21,1102.83 v1@520.02,1077.02 ; 351.42,1398.21 351.42,1300.58 353.57,1298.43 ; 359.23,2103.01 359.97,2103.74 359.97,2177.27 391.07,2146.17 487.96,2146.17 489.76,2147.97 625.94,2147.97 ; 388.84,2451.7 388.84,2407.79 431.03,2365.6 470.46,2365.6 ; v1(393.24,346.79) 393.24,416.12 390.09,419.27 390.09,425.48 390.24,425.64 415.96,425.64 428.73,438.41 491.67,438.41 ; 397.31,2343.65 400.94,2340.01 470.46,2340.01 528.87,2340.01 543.97,2355.11 v1(547.12,2355.11) ; 412.14,1969.81 365.97,1969.81 324.94,2010.83 ; v1(413.39,589.38) 717.07,893.07 ; 425.54,2865.07 425.54,2749.98 447.54,2727.98 ; 429.68,1128.42 518.43,1128.42 v1(554.95,1164.94) 591.47,1128.42 661.97,1128.42 665.83,1124.56 689.65,1124.56 702.52,1111.69 702.52,1090.4 693.22,1081.1 665.83,1081.1 661.97,1077.24 ; 429.68,1179.6 429.68,1222.32 353.57,1298.43 ; 437.17,1383.26 437.17,1382.02 378.4,1323.25 ; v1(440.38,464.76) 440.76,464.38 491.29,464.38 491.67,464 ; 470.46,2263.24 414.72,2263.24 409,2257.52 359.23,2257.52 329.09,2227.37 329.09,2207.42 298.94,2177.27 299.28,2176.94 299.28,2151.4 324.94,2125.74 324.94,2010.83 ; 470.46,2314.42 471.07,2313.81 528.65,2313.81 545.98,2296.47 v1(547.84,2296.47) ; 470.46,2391.19 470.46,2416.78 470.46,2489.37 506.38,2525.29 ; 472.12,155.07 359.61,155.07 115.54,399.14 115.54,494.57 136.66,515.69 ; 487.96,2085.15 489.84,2083.27 v1(489.84,2042.87) ; 491.67,515.18 375.57,515.18 ; 508.57,2727.98 534.6,2754.01 534.6,2856.02 525.54,2865.07 ; 512.99,1323.25 378.4,1323.25 ; 550.97,895.72 553.62,893.07 717.07,893.07 ; 567.41,2525.29 656.67,2525.29 657.36,2524.6 ; v1(572.83,1076.91) 574.61,1076.91 600.53,1102.83 661.97,1102.83 ; 574.01,1323.25 629.15,1323.25 ; 594.82,438.41 877.41,438.41 930.17,491.16 930.17,501.2 930.17,558.21 963.24,591.28 ; 594.82,464 853,464 880.17,491.16 880.17,501.2 880.17,591.05 880.4,591.28 ; 594.82,489.59 751.79,489.59 763.4,501.2 830.17,501.2 ; 594.82,515.18 658.29,515.18 ; v1(627.22,2387.29) 627.44,2387.29 649.13,2365.6 702.74,2365.6 751.2,2365.6 763.77,2353.04 875.86,2353.04 v1(877.37,2354.54) 948.83,2354.54 948.93,2354.64 ; v1@642.21,2334.66 643.79,2334.66 649.14,2340.01 702.74,2340.01 ; 657.99,512.2 v1(709.56,512.2) ; 661.97,1026.06 680.67,1026.06 684.53,1022.2 684.53,1018.19 773.6,929.12 809.65,893.07 ; 661.97,1051.65 712.09,1051.65 773.6,990.14 925.16,990.14 927.83,987.48 ; 661.97,1154.01 723.96,1154.01 757.28,1187.33 757.28,1256.15 757.28,1315.6 787.01,1345.33 ; 661.97,1179.6 710.4,1179.6 725.98,1195.19 725.98,1345.33 784.83,1404.18 784.83,1431.61 865.64,1350.8 ; 665.93,578.46 665.97,578.42 v1(708.69,578.42) ; 691.27,2151.39 692.48,2151.39 753.54,2212.44 ; 696.26,1256.15 629.15,1323.25 ; 702.74,2263.24 721.44,2263.24 753.54,2231.14 753.54,2212.44 ; 702.74,2288.83 767.48,2288.83 811.08,2245.23 900.54,2245.23 948.93,2293.61 ; 702.74,2391.19 757.11,2391.19 764.75,2383.55 812.15,2383.55 812.15,2430.84 718.39,2524.6 ; 702.74,2416.78 699.65,2419.87 601.43,2419.87 587.95,2406.39 587.95,2316.39 612.41,2291.94 649.41,2291.94 668.04,2310.56 698.88,2310.56 702.74,2314.42 756.88,2314.42 764.98,2322.53 812.15,2322.53 ; v1(748.01,654.19) 795.67,654.19 797.56,652.31 880.4,652.31 963.24,652.31 ; 758.29,2959.05 698.77,2899.53 698.77,2758.25 718.36,2738.66 772.43,2738.66 ; v1(790.89,200.56) 829.52,200.56 830.17,201.2 880.17,201.2 930.17,201.2 ; 797.56,591.28 830.17,558.67 830.17,511.24 ; 819.31,2959.05 850,2959.05 v1(868.21,2940.84) 868.21,2897.75 927.3,2838.66 958.54,2838.66 ; 843.5,1306.18 843.5,1319.71 865.64,1341.85 865.64,1350.8 ; 844.9,1624.18 864.38,1604.69 934.9,1604.69 944.9,1614.69 ; 844.9,1685.2 847.2,1687.51 847.2,1704.71 857.18,1714.69 944.9,1714.69 ; v1(879.75,2788.35) 879.91,2788.51 958.38,2788.51 958.54,2788.66 ; 893.53,1183.58 948.92,1183.58 988.17,1144.34 988.17,1095.47 988.17,988.16 988.85,987.48 990.21,986.12 990.21,893.07 ; 893.53,1244.61 893.53,1322.91 865.64,1350.8 ; 915.65,2099.63 915.65,2149.91 881.36,2184.2 811.08,2184.2 781.78,2184.2 753.54,2212.44 ; v1(926.46,1054.45) 927.15,1055.14 927.15,1095.47 ; 929.18,893.07 809.65,893.07 ; v7(950.47,2483.77) 950.47,2487.83 962.3,2499.66 962.3,2545.84 ; 958.54,2738.66 962.3,2734.9 962.3,2606.86 ; v1(973.42,1420.16) 973.42,1378.69 973.68,1378.43 ; 973.68,1317.41 814.52,1476.56 768.76,1476.56 723.81,1431.61 687.62,1431.61 655.98,1399.98 655.98,1350.08 629.15,1323.25 ; 1430,2105 1580,1955 1614.65,1955 1617.25,1957.6 1658.4,1957.6 1666,1950 1666,1908 1637,1879 1637,1772 ; 1517.01,2870 1650.4,2870 1652.13,2868.27 1717.01,2868.27 1781.89,2868.27 ; v4(1545,2045) 1594,1996 1616.25,1996 1617.25,1995 ; 1558.23,998.19 1553.74,1002.68 1558.23,1007.17 ; 1559.21,189.06 1595.85,189.06 1601.71,194.91 1601.71,283.41 v5@1594.86,290.27 ; 1559.21,363.86 1575.71,380.36 1595.85,380.36 1601.71,386.22 1601.71,748.79 1625.27,772.35 1625.27,937.34 1624.33,938.29 1624.33,947.83 1623.03,949.13 1623.03,964.29 ; 1603.34,964.29 1603.34,979.45 ; 1603.34,1025.91 1603.34,1041.06 ; v4(1610,2235) 1682,2235 1683,2236 ; v5(1614.21,1081.06) 1614.21,1078.44 1622.52,1070.14 1622.52,1041.57 1623.03,1041.06 ; v5@1623.57,290.27 1616.71,283.41 1616.71,194.91 1622.57,189.06 1659.21,189.06 ; 1642.71,964.29 1642.71,949.13 1641.41,947.83 1641.41,938.29 1640.27,937.15 1640.27,766.14 1616.71,742.58 1616.71,386.22 1622.57,380.36 1642.71,380.36 1659.21,363.86 ; 1642.71,1041.06 1643.22,1041.57 1643.22,1072.99 1649.21,1078.97 v9(1649.21,1081.06) ; 1650.13,2651.73 1717.01,2651.73 1746.28,2651.73 v4(1854.01,2544) ; 1701.77,964.29 1701.77,920.46 1709.21,913.02 1709.21,592.77 1801.71,500.27 1801.71,396.56 1793.35,388.2 1779.21,388.2 1759.21,368.2 1759.21,363.86 ; 1721.62,964.13 1721.62,921.83 1724.21,919.23 1724.21,598.98 1816.71,506.48 1816.71,394.91 1822.57,389.06 1824.21,389.06 1825.07,388.2 1839.21,388.2 1859.21,368.2 1859.21,363.86 ; 1722.75,1957.6 1732,1957.6 1743.4,1969 1749.21,1969 1771.65,1991.44 1771.65,2446.65 ; 1819.88,964.29 1819.88,979.45 ; 1864.99,998.19 1869.48,1002.68 1864.99,1007.17 ; 353.57,1298.43 378.4,1323.25 ; 717.07,893.07 809.65,893.07
  Top Layer w12: v8(1674.21,911.06) 1674.56,911.41 1674.56,929.85 1682.08,937.38 1682.08,964.29
  Bottom Layer w10: 1203.68,2906.8 1203.68,3018.37 ; 1271.18,325.75 1271.18,330.09 1291.18,350.09 1305.32,350.09 1306.18,350.94 1307.82,350.94 1313.68,356.8 ; 1328.68,462.16 1328.68,358.44 1337.04,350.09 1351.18,350.09 1371.18,330.09 1371.18,325.75 ; v5(1594.21,294.06) 1594.21,296.68 1599.37,301.83 1599.37,304.35 1601.71,306.69 1601.71,748.79 1624.21,771.29 1624.21,1070.36 1614.21,1080.36 v5(1614.21,1081.06) ; v5(1624.21,294.06) 1624.21,296.68 1619.06,301.83 1619.06,304.35 1616.71,306.69 1616.71,742.58 1639.21,765.08 1639.21,1071.35 1648.93,1081.06 v9(1649.21,1081.06)
  Bottom Layer w30: v8(1674.21,911.06) 1869.21,716.06 ; 1869.21,264.06 1869.21,716.89
  other v1: 520.83,1077.83 639.59,2334.66
  other v2: 573.86,402.59 451.81,403.65 514.42,404 620.24,407.6 517.33,547.02 574.48,547.55 456.73,552.44 610.9,551.84
  other v3: 1684.21,1001.06 1729.21,1001.06 1774.21,1001.06 1709.21,1006.06 1749.21,1006.06
  other v6: 1759.21,79.06 1859.21,79.06

## Polygon pours and split planes (outlines as drawn)
no net on Top Layer "NONET_L01_P008" (solid, pour order 8): 418.24,571.79 418.24,386.79 668.24,386.79 668.24,571.79
no net on Top Layer "NONET_L01_P007" (solid, pour order 7): 1809.21,1061.48 1809.21,931.48 1909.21,931.48 1909.21,1061.48
no net on Top Layer "NONET_L01_P006" (solid, pour order 6): 1509.21,931.48 1509.34,931.6 1611.29,931.6 1611.29,1061.46 1611.28,1061.48 1509.21,1061.48
no net on Top Layer "NONET_L01_P003" (solid, pour order 3): 1824.06,299.06 1824.06,49.06 1909.06,49.06 1909.06,299.06
no net on Top Layer "NONET_L01_P002" (solid, pour order 2): 1714.06,299.06 1814.06,299.06 1814.06,49.06 1714.06,49.06
no net on Top Layer "NONET_L01_P001" (solid, pour order 1): 1614.21,1061.48 1789.21,1061.48 1789.21,931.48 1614.21,931.48
no net on Bottom Layer "NONET_L02_P005" (solid, pour order 5): 1829.06,49.06 1944.06,49.06 1944.06,224.06 1829.06,224.06
no net on Bottom Layer "NONET_L02_P004" (solid, pour order 4): 1724.06,49.06 1724.06,159.06 1819.06,159.06 1819.06,49.06

## Silkscreen, mask and mechanical layers (free items; w line width, h text height)
Top Overlay:
  drawing of 70 lines, arcs and shapes, not listed
  text "S" at 70.8,2858.18 h40
  text "+" at 603.55,2808.55 h40
  text "-" at 275.72,2720.97 h40
  text "-" at 366.53,2719.9 h40
  text "BB" at 729.65,2071.78 h40
  text "A" at 757.47,1977.48 h40
  text "F1" at 457.33,1932.12 h40
  text "-" at 293.06,1796.08 h40
  text "A" at 777.12,1791.79 h40
  text "+" at 293.06,1694.24 h40
  text "+" at 780.94,1692.18 h40
  text "A" at 298.98,1592.79 h40
  text "-" at 780.94,1590.84 h40
  text "F2" at 412.53,1423.2 h40
  text "F3" at 783.5,1224.68 h40
  text "Bypass" at 90.46,833.83 h40
  text "F4" at 517.36,805.73 h40
  text "R21+22/R23" at 85.67,751.67 h59
  text "DRN" at 1820.21,747.06 h40
  text "0" at 991.54,504.01 h40
  text "1" at 991.54,212.15 h40
  text "A" at 671.92,135.56 h40
  text "S" at 370.56,134.99 h40
  text "2 1 0" at 791.35,122.23 h40
  text "+" at 1898.21,62.39 h40
Bottom Overlay:
  drawing of 23 lines, arcs and shapes, not listed
Mechanical 1:
  lines w0: 1474.21,29.21 1949.21,29.21 1949.21,1121.06 1474.21,1121.06 1474.21,29.21